# Altium PCB MODULE_CPU_MX240_V1.0.PcbDoc (part 1 of 2) (continued)
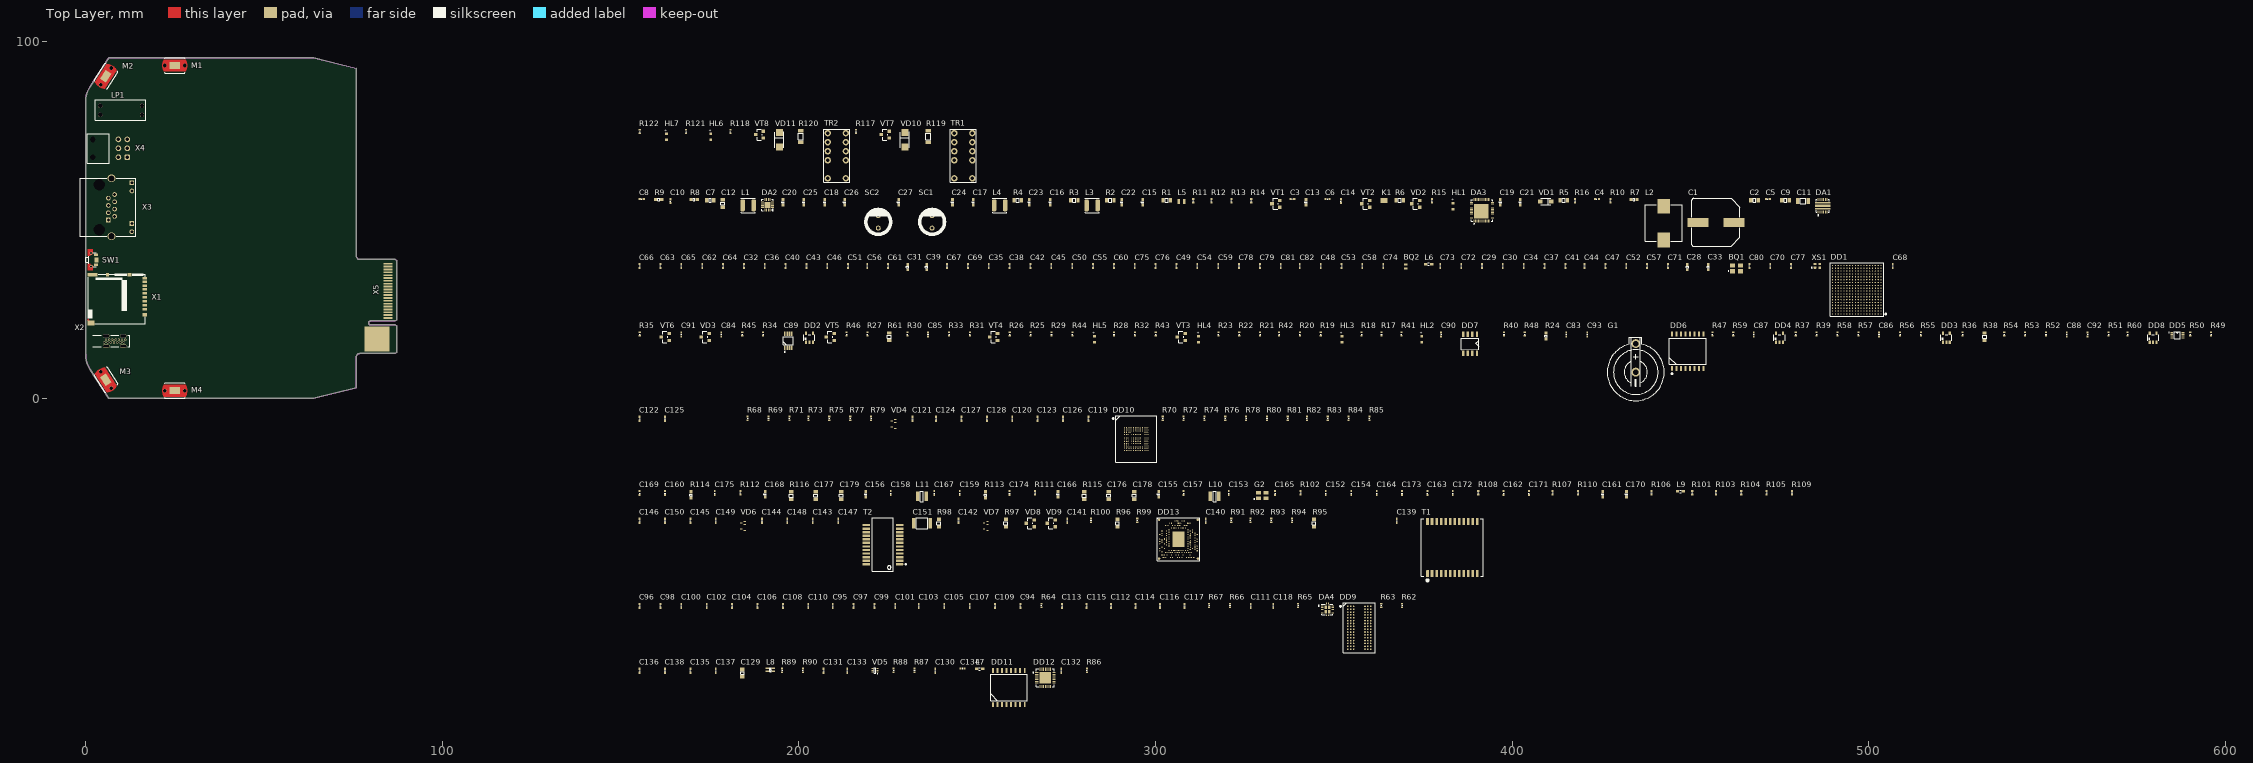
[diagram p0: Top Layer view]
## Components (designator, comment, footprint, x,y, rotation, side; value= is the part's Value field where it differs from the comment) (continued)
R36 "2К7" R0402 526.347,18.035 r90 top
R37 "2К7" R0402 479.545,18.035 r90 top
R38 "120 Ом" R0805 532.497,17.285 r90 top
R39 "2К7" R0402 485.395,18.035 r90 top
R40 "2К7" R0402 397.741,18.035 r90 top
R41 "330" R0402 368.989,18.035 r90 top
R42 "330" R0402 334.662,18.035 r90 top
R43 "330" R0402 300.086,18.035 r90 top
R44 "330" R0402 276.71,18.035 r90 top
R45 "10К" R0402 184.155,18.035 r90 top
R46 "2К7" R0402 213.407,18.035 r90 top
R47 "2К7" R0402 456.168,18.035 r90 top
R48 "2К7" R0402 403.566,18.035 r90 top
R49 "100K" R0402 596.025,18.035 r90 top
R50 "100K" R0402 590.175,18.035 r90 top
R51 "100K" R0402 567.274,18.035 r90 top
R52 "100K" R0402 549.723,18.035 r90 top
R53 "100K" R0402 543.873,18.035 r90 top
R54 "100K" R0402 538.022,18.035 r90 top
R55 "100K" R0402 514.646,18.035 r90 top
R56 "100K" R0402 508.796,18.035 r90 top
R57 "100K" R0402 497.095,18.035 r90 top
R58 "100K" R0402 491.245,18.035 r90 top
R59 "2К7" R0402 462.019,18.035 r90 top
R60 "330" R0402 572.624,18.035 r90 top
R61 "120 Ом" R0805 225.382,17.285 r90 top
R62 "10К" R0402 369.189,-58.069 r90 top
R63 "10К" R0402 363.339,-58.069 r90 top
R64 "240 1%" R0402 268.034,-58.069 r90 top
R65 "10K 1%" R0402 339.988,-58.069 r90 top
R66 "10K 1%" R0402 320.912,-58.069 r90 top
R67 "10К" R0402 315.062,-58.069 r90 top
R68 "10К" R0402 185.655,-5.617 r90 top
R69 "10К" R0402 191.505,-5.617 r90 top
R70 "10К" R0402 302.036,-5.617 r90 top
R71 "10К" R0402 197.356,-5.617 r90 top
R72 "10К" R0402 307.886,-5.617 r90 top
R73 "10К" R0402 202.706,-5.617 r90 top
R74 "10К" R0402 313.736,-5.617 r90 top
R75 "10К" R0402 208.556,-5.617 r90 top
R76 "10К" R0402 319.587,-5.617 r90 top
R77 "10К" R0402 214.407,-5.617 r90 top
R78 "10К" R0402 325.437,-5.617 r90 top
R79 "10К" R0402 220.257,-5.617 r90 top
R80 "10К" R0402 331.287,-5.617 r90 top
R81 "10К" R0402 337.113,-5.617 r90 top
R82 "10К" R0402 342.463,-5.617 r90 top
R83 "10К" R0402 348.313,-5.617 r90 top
R84 "10К" R0402 354.163,-5.617 r90 top
R85 "10К" R0402 360.014,-5.617 r90 top
R86 "5К1" R0402 280.785,-76.27 r90 top
R87 "5К1" R0402 232.432,-76.27 r90 top
R88 "2К7" R0402 226.582,-76.27 r90 top
R89 "2К7" R0402 195.306,-76.27 r90 top
R90 "2К7" R0402 201.156,-76.27 r90 top
R91 "10К" R0402 321.262,-34.218 r90 top
R92 "10К" R0402 326.612,-34.218 r90 top
R93 "1К5 1%" R0402 332.462,-34.218 r90 top
R94 "1К5 1%" R0402 338.313,-34.218 r90 top
R95 "75" R0805 344.463,-34.968 r90 top
R96 "75" R0805 289.36,-34.968 r90 top
R97 "75" R0805 258.084,-34.968 r90 top
R98 "75" R0805 239.283,-34.968 r90 top
R99 "330 Ом" R0402 294.911,-34.218 r90 top
R100 "330 Ом" R0402 281.935,-34.218 r90 top
R101 "10К" R0402 450.543,-26.468 r90 top
R102 "2К 1%" R0402 340.713,-26.468 r90 top
R103 "10К" R0402 457.143,-26.468 r90 top
R104 "10К" R0402 464.269,-26.468 r90 top
R105 "10К" R0402 471.394,-26.468 r90 top
R106 "10" R0402 439.093,-26.468 r90 top
R107 "10" R0402 411.391,-26.468 r90 top
R108 "10К" R0402 390.54,-26.468 r90 top
R109 "2К7" R0402 478.494,-26.468 r90 top
R110 "10" R0402 418.517,-26.468 r90 top
R111 "82К5 1%" R0402 266.259,-26.468 r90 top
R112 "82К5 1%" R0402 183.63,-26.468 r90 top
R113 "442К 1%" R0603 252.383,-27.043 r90 top
R114 "442К 1%" R0603 169.754,-27.043 r90 top
R115 "15 Ом" R0805 280.035,-27.243 r90 top
R116 "15 Ом" R0805 197.906,-27.243 r90 top
R117 "10К" R0402 216.032,74.812 r90 top
R118 "10К" R0402 180.83,74.812 r90 top
R119 "10 Ом" R1206 236.308,73.462 r90 top
R120 "10 Ом" R1206 200.581,73.462 r90 top
R121 "330" R0402 168.379,74.812 r90 top
R122 "330" R0402 155.404,74.812 r90 top
SC1 "1 Ф 3,0 В" CAP_POL_8x13 237.383,47.736 r90 top
SC2 "1 Ф 3,0 В" CAP_POL_8x13 222.282,47.736 r90 top
SW1 "EVP-AKE31A" EVPAKE31A 1.56,38.866 r180 top
T1 "WE-LAN AQ 749020310" HX5004NL 383.29,-41.818 r0 top
T2 "Topaz TE-1x1G" "Topaz TE-1x1G" 223.607,-41.018 r90 top
TR1 "V23079-A1003-B301" RELE_V23079A 246.133,68.037 r90 top
TR2 "V23079-A1003-B301" RELE_V23079A 210.656,68.037 r90 top
VD1 "SMF5.0AT1G" SOD-123 409.441,55.186 r0 top
VD2 "BAT54A" SOT-23 372.989,54.561 r0 top
VD3 "WE-TVS 824021" SOT-23 173.755,17.21 r0 top
VD4 "WE-TVS 824014881" "WE-TVS 824014881" 226.557,-6.717 r90 top
VD5 "WE-TVS 82400152" SOT-563 221.382,-76.27 r90 top
VD6 "WE-TVS 824014881" "WE-TVS 824014881" 184.355,-35.318 r90 top
VD7 "WE-TVS 824014881" "WE-TVS 824014881" 252.408,-35.318 r90 top
VD8 "WE-TVS 824021" SOT-23 264.934,-35.043 r0 top
VD9 "WE-TVS 824021" SOT-23 270.784,-35.043 r0 top
VD10 "GS1M" SMA(DO-214AC) 229.757,72.512 r90 top
VD11 "GS1M" SMA(DO-214AC) 194.556,72.512 r90 top
VT1 "DMP3098L-7" SOT-23 333.787,54.561 r0 top
VT2 "IRLML6246TR" SOT-23 358.939,54.561 r0 top
VT3 "IRLML6246TRPbF" SOT-23 307.236,17.21 r0 top
VT4 "IRLML6246TRPbF" SOT-23 254.609,17.21 r0 top
VT5 "IRLML6246TRPbF" SOT-23 208.831,17.21 r0 top
VT6 "IRLML6246TRPbF" SOT-23 162.554,17.21 r0 top
VT7 "2N7002K" SOT-23 224.207,73.962 r0 top
VT8 "2N7002K" SOT-23 188.98,73.962 r0 top
X1 "DM3A-SF-PEJM5" DM3AT-SF-PEJM5 9.083,27.895 r270 top
X2 "KUSBX-SL-CS1N14-B" KUSBX-SL-CS1N14 8.205,16.065 r270 top
X3 "WR-MJ_615008137421" WR-MJ_615008137421 6.386,50.018 r270 top
X4 "MOLEX 105314-1206" MOLEX_105314-1206 11.712,67.616 r270 top
X5 "SLOT MOLEX 76861-1120" "EDGE AMPHENOL CE1204000110111" 84.754,22.552 r90 top locked
XS1 "25 МГц" WE-SPXO_IQXO-542 485.595,37.161 r0 top

## Footprints (in the part's own frame and the unit in brackets; to place one, negate y for a bottom-side part, rotate by r counter-clockwise, add the part's x,y. Pads: shape width x height; smd on the part's side, far side on the other; paste and mask are expansions set on the pad)
1296.2024 [mm] "Multiple light guide 4х2"
  round 1.2 hole 1.2 unplated paste-5 mask+0: 0(-1.27,-5.85) 0(-1.27,5.85) 0(1.27,-5.85) 0(1.27,5.85)
  silkscreen extent -2.78,-6.9 2.94,7.25, body extent -2.78,-6.9 2.94,10.05, height 11.15
C0402 [mm]
  rect 0.6x0.5 smd paste-0.025 mask+0.05: 1(-0.55,0) 2(0.55,0)
  silkscreen extent 0,-0.15 0,0.15, body extent -0.5,-0.25 0.5,0.25, height 0.63
C0603 [mm]
  rect 0.8x0.75 smd paste-0.037 mask+0.05: 1(-0.75,0) 2(0.75,0)
  silkscreen extent -0.15,-0.33 0.15,0.33, body extent -0.8,-0.4 0.8,0.4, height 0.93
C0805 [mm]
  rect 1x1.25 smd paste-0.05 mask+0.05: 1(-1,0) 2(1,0)
  silkscreen extent -0.33,-0.55 0.33,0.55, body extent -1,-0.62 1,0.63, height 1.03
C1206 [mm]
  rect 1x1.6 smd paste-0.05 mask+0.05: 1(-1.5,0) 2(1.5,0)
  silkscreen extent -0.82,-0.72 0.82,0.72, body extent -1.6,-0.8 1.6,0.8, height 1.03
C1812 [mm]
  rect 1x3 smd paste-0.05 mask+0.05: 1(-2.3,0) 2(2.3,0)
  silkscreen extent -1.63,-1.53 1.63,1.53, body extent -2.25,-1.6 2.25,1.6, height 1.63
CAP_POL_8x13 [mm]
  round 1.4 hole 0.8 paste+0 mask+0.075: 1(0,0) 2(3.5,0)
  silkscreen extent -1.73,-3.47 5.3,3.48, body extent -2.26,-4 5.75,4, height 13.06
CH23-1220 [mm]
  round 2.5 hole 1.5: 1(8,0.031) 2(0,0)
  silkscreen extent -8,-8 9.8,8, body extent -7.55,-7.55 11.5,7.55, height 10.4
DM3AT-SF-PEJM5 [mm] "Push-Push microSD Card Connector"
  rect 0.7x1.2 smd paste-0.05 mask+0.05: 1(2.85,7.55) 2(1.75,7.55) 3(0.65,7.55) 4(-0.45,7.55) 5(-1.55,7.55) 6(-2.65,7.55) 7(-3.75,7.55) 8(-4.85,7.55) 9(-5.8,7.55)
  rect 1x0.8 smd paste-0.05 mask+0.05: 10(-6.75,-2.95)
  rect 1x1.2 smd paste-0.05 mask+0.05: 11(-6.75,3.25) 14(4.4,7.55)
  rect 1x2.8 smd paste-0.05 mask+0.05: 12(-6.75,-7.1)
  rect 1.3x1.9 smd paste-0.05 mask+0.05: 13(6.75,-7.55)
  Top Layer region: 6.15,-7.95 5.95,-8.15 5.55,-8.15 5.55,-8.5 6.15,-8.5
  silkscreen extent -7.15,-8.5 7,7.65, body extent -6.85,-8.5 7,7.65, height 1.68
"EDGE AMPHENOL CE1204000110111" [mm]
  rect 0.5x2.5 smd paste-10 mask+0: 1(0,0) 3(0.8,0) 5(1.6,0) 7(2.4,0) 9(3.2,0) 11(4,0) 13(4.8,0) 15(5.6,0) 17(6.4,0) 19(7.2,0) 21(8,0) 23(8.8,0) 25(9.6,0) 27(10.4,0) 29(11.2,0) 31(12,0) 33(12.8,0) 35(13.6,0) 37(14.4,0) 39(15.2,0)
  rect 0.5x2.5 smd far side paste-10 mask+0: 2(-0.4,0) 4(0.4,0) 6(1.2,0) 8(2,0) 10(2.8,0) 12(3.6,0) 14(4.4,0) 16(5.2,0) 18(6,0) 20(6.8,0) 22(7.6,0) 24(8.4,0) 26(9.2,0) 28(10,0) 30(10.8,0) 32(11.6,0) 34(12.4,0) 36(13.2,0) 38(14,0) 40(14.8,0)
  rect 7x7 smd paste-10 mask+0: P1(-5.95,3.05)
  rect 7x7 smd far side paste-10 mask+0: P2(-5.95,3.05)
EVPAKE31A [mm]
  rrect50% 1.1x0.7 smd paste+0 mask+0.05: 1(-1.35,-1.4) 2(-1.35,1.4)
  round 0.8 hole 0.55 paste+0 mask+0.05: SH1(0,1.85) SH2(0,-1.85)
  rect 1.1x1.4 smd paste+0 mask+0.05: SH3(-1.5,0)
  Top Layer region: -0.4,1.875 -0.4,3 0.95,3 0.95,1.15 0.3,1.15 0.3,1.45 -0.009,1.45 -0.042,1.45 -0.108,1.463 -0.17,1.489 -0.226,1.526 -0.25,1.55 -0.25,1.55 -0.277,1.577 -0.307,1.607 -0.352,1.676 -0.384,1.752 -0.4,1.834 -0.4,1.875
  Top Layer region: -0.4,-1.875 -0.4,-3 0.95,-3 0.95,-1.15 0.3,-1.15 0.3,-1.45 -0.009,-1.45 -0.042,-1.45 -0.108,-1.463 -0.17,-1.489 -0.226,-1.526 -0.25,-1.55 -0.25,-1.55 -0.277,-1.577 -0.307,-1.607 -0.352,-1.676 -0.384,-1.752 -0.4,-1.834 -0.4,-1.875
  silkscreen extent -1.4,-1.95 1.5,1.95, body extent -1.4,-1.95 1.5,1.95, height 1.6
FBGA-96 [mm]
  round 0.45 smd paste+0 mask+0.05: A1(-3.2,6) A2(-2.4,6) A3(-1.6,6) A7(1.6,6) A8(2.4,6) A9(3.2,6) B1(-3.2,5.2) B2(-2.4,5.2) B3(-1.6,5.2) B7(1.6,5.2) B8(2.4,5.2) B9(3.2,5.2) C1(-3.2,4.4) C2(-2.4,4.4) C3(-1.6,4.4) C7(1.6,4.4) C8(2.4,4.4) C9(3.2,4.4) D1(-3.2,3.6) D2(-2.4,3.6) D3(-1.6,3.6) D7(1.6,3.6) D8(2.4,3.6) D9(3.2,3.6) E1(-3.2,2.8) E2(-2.4,2.8) E3(-1.6,2.8) E7(1.6,2.8) E8(2.4,2.8) E9(3.2,2.8) F1(-3.2,2) F2(-2.4,2) F3(-1.6,2) F7(1.6,2) F8(2.4,2) F9(3.2,2) G1(-3.2,1.2) G2(-2.4,1.2) G3(-1.6,1.2) G7(1.6,1.2) G8(2.4,1.2) G9(3.2,1.2) H1(-3.2,0.4) H2(-2.4,0.4) H3(-1.6,0.4) H7(1.6,0.4) H8(2.4,0.4) H9(3.2,0.4) J1(-3.2,-0.4) J2(-2.4,-0.4) J3(-1.6,-0.4) J7(1.6,-0.4) J8(2.4,-0.4) J9(3.2,-0.4) K1(-3.2,-1.2) K2(-2.4,-1.2) K3(-1.6,-1.2) K7(1.6,-1.2) K8(2.4,-1.2) K9(3.2,-1.2) L1(-3.2,-2) L2(-2.4,-2) L3(-1.6,-2) L7(1.6,-2) L8(2.4,-2) L9(3.2,-2) M1(-3.2,-2.8) M2(-2.4,-2.8) M3(-1.6,-2.8) M7(1.6,-2.8) M8(2.4,-2.8) M9(3.2,-2.8) N1(-3.2,-3.6) N2(-2.4,-3.6) N3(-1.6,-3.6) N7(1.6,-3.6) N8(2.4,-3.6) N9(3.2,-3.6) P1(-3.2,-4.4) P2(-2.4,-4.4) P3(-1.6,-4.4) P7(1.6,-4.4) P8(2.4,-4.4) P9(3.2,-4.4) R1(-3.2,-5.2) R2(-2.4,-5.2) R3(-1.6,-5.2) R7(1.6,-5.2) R8(2.4,-5.2) R9(3.2,-5.2) T1(-3.2,-6) T2(-2.4,-6) T3(-1.6,-6) T7(1.6,-6) T8(2.4,-6) T9(3.2,-6)
  silkscreen extent -5.5,-7 4.5,7, body extent -4.5,-7 4.5,7, height 1.09
FBGA-153 [mm]
  round 0.25 smd paste+0 mask+0.05: A1(-3.25,3.25) A2(-2.75,3.25) A3(-2.25,3.25) A4(-1.75,3.25) A5(-1.25,3.25) A6(-0.75,3.25) A7(-0.25,3.25) A8(0.25,3.25) A9(0.75,3.25) A10(1.25,3.25) A11(1.75,3.25) A12(2.25,3.25) A13(2.75,3.25) A14(3.25,3.25) B1(-3.25,2.75) B2(-2.75,2.75) B3(-2.25,2.75) B4(-1.75,2.75) B5(-1.25,2.75) B6(-0.75,2.75) B7(-0.25,2.75) B8(0.25,2.75) B9(0.75,2.75) B10(1.25,2.75) B11(1.75,2.75) B12(2.25,2.75) B13(2.75,2.75) B14(3.25,2.75) C1(-3.25,2.25) C2(-2.75,2.25) C3(-2.25,2.25) C4(-1.75,2.25) C5(-1.25,2.25) C6(-0.75,2.25) C7(-0.25,2.25) C8(0.25,2.25) C9(0.75,2.25) C10(1.25,2.25) C11(1.75,2.25) C12(2.25,2.25) C13(2.75,2.25) C14(3.25,2.25) D1(-3.25,1.75) D2(-2.75,1.75) D3(-2.25,1.75) D4(-1.75,1.75) D12(2.25,1.75) D13(2.75,1.75) D14(3.25,1.75) E1(-3.25,1.25) E2(-2.75,1.25) E3(-2.25,1.25) E5(-1.25,1.25) E6(-0.75,1.25) E7(-0.25,1.25) E8(0.25,1.25) E9(0.75,1.25) E10(1.25,1.25) E12(2.25,1.25) E13(2.75,1.25) E14(3.25,1.25) F1(-3.25,0.75) F2(-2.75,0.75) F3(-2.25,0.75) F5(-1.25,0.75) F6(-0.75,0.75) F7(-0.25,0.75) F8(0.25,0.75) F9(0.75,0.75) F10(1.25,0.75) F12(2.25,0.75) F13(2.75,0.75) F14(3.25,0.75) G1(-3.25,0.25) G2(-2.75,0.25) G3(-2.25,0.25) G5(-1.25,0.25) G6(-0.75,0.25) G7(-0.25,0.25) G8(0.25,0.25) G9(0.75,0.25) G10(1.25,0.25) G12(2.25,0.25) G13(2.75,0.25) G14(3.25,0.25) H1(-3.25,-0.25) H2(-2.75,-0.25) H3(-2.25,-0.25) H5(-1.25,-0.25) H6(-0.75,-0.25) H7(-0.25,-0.25) H8(0.25,-0.25) H9(0.75,-0.25) H10(1.25,-0.25) H12(2.25,-0.25) H13(2.75,-0.25) H14(3.25,-0.25) J1(-3.25,-0.75) J2(-2.75,-0.75) J3(-2.25,-0.75) J5(-1.25,-0.75) J6(-0.75,-0.75) J7(-0.25,-0.75) J8(0.25,-0.75) J9(0.75,-0.75) J10(1.25,-0.75) J12(2.25,-0.75) J13(2.75,-0.75) J14(3.25,-0.75) K1(-3.25,-1.25) K2(-2.75,-1.25) K3(-2.25,-1.25) K5(-1.25,-1.25) K6(-0.75,-1.25) K7(-0.25,-1.25) K8(0.25,-1.25) K9(0.75,-1.25) K10(1.25,-1.25) K12(2.25,-1.25) K13(2.75,-1.25) K14(3.25,-1.25) L1(-3.25,-1.75) L2(-2.75,-1.75) L3(-2.25,-1.75) L12(2.25,-1.75) L13(2.75,-1.75) L14(3.25,-1.75) M1(-3.25,-2.25) M2(-2.75,-2.25) M3(-2.25,-2.25) M4(-1.75,-2.25) M5(-1.25,-2.25) M6(-0.75,-2.25) M7(-0.25,-2.25) M8(0.25,-2.25) M9(0.75,-2.25) M10(1.25,-2.25) M11(1.75,-2.25) M12(2.25,-2.25) M13(2.75,-2.25) M14(3.25,-2.25) N1(-3.25,-2.75) N2(-2.75,-2.75) N3(-2.25,-2.75) N4(-1.75,-2.75) N5(-1.25,-2.75) N6(-0.75,-2.75) N7(-0.25,-2.75) N8(0.25,-2.75) N9(0.75,-2.75) N10(1.25,-2.75) N11(1.75,-2.75) N12(2.25,-2.75) N13(2.75,-2.75) N14(3.25,-2.75) P1(-3.25,-3.25) P2(-2.75,-3.25) P3(-2.25,-3.25) P4(-1.75,-3.25) P5(-1.25,-3.25) P6(-0.75,-3.25) P7(-0.25,-3.25) P8(0.25,-3.25) P9(0.75,-3.25) P10(1.25,-3.25) P11(1.75,-3.25) P12(2.25,-3.25) P13(2.75,-3.25) P14(3.25,-3.25)
  silkscreen extent -6.65,-6.5 5.75,6.5, body extent -5.75,-6.5 5.75,6.5, height 0.93
GND_DELIM [mm]
  rect 1x1.45 smd paste-5 mask-5: 1(-0.4,0) 2(0.5,0)
HX5004NL [mm]
  rrect50% 0.76x2.03 smd paste-0.02 mask+0.075: 1(-6.985,-7.307)
  rect 0.76x2.03 smd paste-0.02 mask+0.075: 2(-5.715,-7.307) 3(-4.445,-7.307) 4(-3.175,-7.307) 5(-1.905,-7.307) 6(-0.635,-7.307) 7(0.635,-7.307) 8(1.905,-7.307) 9(3.175,-7.307) 10(4.445,-7.307) 11(5.715,-7.307) 12(6.985,-7.307) 13(6.985,7.307) 14(5.715,7.307) 15(4.445,7.307) 16(3.175,7.307) 17(1.905,7.307) 18(0.635,7.307) 19(-0.635,7.307) 20(-1.905,7.307) 21(-3.175,7.307) 22(-4.445,7.307) 23(-5.715,7.307) 24(-6.985,7.307)
  silkscreen extent -8.7,-9.51 8.7,8, body extent -8.75,-7.98 8.75,7.98, height 5.72
KUSBX-SL-CS1N14 [mm]
  round 0.6 hole 0.4 paste+0 mask+0.05: A1(-0.39,-2.475) A4(-0.39,-1.575) A5(-0.39,-0.675) A6(-0.39,0.225) A7(-0.39,1.125) A9(-0.39,2.025) A12(-0.39,2.925) B1(0.39,2.475) B4(0.39,1.575) B5(0.39,0.675) B6(0.39,-0.225) B7(0.39,-1.125) B9(0.39,-2.025) B12(0.39,-2.925)
  oval 0.9x1.9 hole 0.6 slot 1.6 at 90 deg mask+0.07: SH1(-1.43,2.375) SH2(-1.43,-2.425) SH3(1.43,-2.425) SH4(1.43,2.375)
  silkscreen extent -1.6,-6.25 1.6,4.14, body extent -1.9,-10.41 1.9,4.14, height 9.09
MOLEX_105314-1206 [mm] "Nano-Fit Right-Angle Header, Through Hole, 2.50mm Pitch, Dual Row, 6 Circuits, 0.38µm Gold (Au) Plating, Black"
  round 0 hole 1.6 unplated paste+0 mask+0: 0(-5,-9.68) 0(0,-9.68)
  rrect50% 1.6x1.6 hole 1 paste+0 mask+0.075: 1(0,0)
  round 1.6 hole 1 paste+0 mask+0.075: 2(-2.5,0) 3(-5,0) 4(0,-2.5) 5(-2.5,-2.5) 6(-5,-2.5)
  silkscreen extent -6.63,-11.17 1.63,-5, body extent -6.72,-14.34 1.72,0.32, height 9.2
MSOP-8 [mm]
  rect 1.35x0.45 smd paste-0.01 mask+0.05: 1(0,0) 2(0,-0.65) 3(0,-1.3) 4(0,-1.95) 5(3.945,-1.95) 6(3.945,-1.3) 7(3.945,-0.65) 8(3.945,0)
  silkscreen extent -1.3,-2.43 3.07,0.48, body extent -0.5,-2.52 4.44,0.58, height 1.1
PBGA324 [mm]
  round 0.35 smd paste+0 mask+0.05: A1(6.8,-6.8) A2(6,-6.8) A3(5.2,-6.8) A4(4.4,-6.8) A5(3.6,-6.8) A6(2.8,-6.8) A7(2,-6.8) A8(1.2,-6.8) A9(0.4,-6.8) A10(-0.4,-6.8) A11(-1.2,-6.8) A12(-2,-6.8) A13(-2.8,-6.8) A14(-3.6,-6.8) A15(-4.4,-6.8) A16(-5.2,-6.8) A17(-6,-6.8) A18(-6.8,-6.8) B1(6.8,-6) B2(6,-6) B3(5.2,-6) B4(4.4,-6) B5(3.6,-6) B6(2.8,-6) B7(2,-6) B8(1.2,-6) B9(0.4,-6) B10(-0.4,-6) B11(-1.2,-6) B12(-2,-6) B13(-2.8,-6) B14(-3.6,-6) B15(-4.4,-6) B16(-5.2,-6) B17(-6,-6) B18(-6.8,-6) C1(6.8,-5.2) C2(6,-5.2) C3(5.2,-5.2) C4(4.4,-5.2) C5(3.6,-5.2) C6(2.8,-5.2) C7(2,-5.2) C8(1.2,-5.2) C9(0.4,-5.2) C10(-0.4,-5.2) C11(-1.2,-5.2) C12(-2,-5.2) C13(-2.8,-5.2) C14(-3.6,-5.2) C15(-4.4,-5.2) C16(-5.2,-5.2) C17(-6,-5.2) C18(-6.8,-5.2) D1(6.8,-4.4) D2(6,-4.4) D3(5.2,-4.4) D4(4.4,-4.4) D5(3.6,-4.4) D6(2.8,-4.4) D7(2,-4.4) D8(1.2,-4.4) D9(0.4,-4.4) D10(-0.4,-4.4) D11(-1.2,-4.4) D12(-2,-4.4) D13(-2.8,-4.4) D14(-3.6,-4.4) D15(-4.4,-4.4) D16(-5.2,-4.4) D17(-6,-4.4) D18(-6.8,-4.4) E1(6.8,-3.6) E2(6,-3.6) E3(5.2,-3.6) E4(4.4,-3.6) E5(3.6,-3.6) E6(2.8,-3.6) E7(2,-3.6) E8(1.2,-3.6) E9(0.4,-3.6) E10(-0.4,-3.6) E11(-1.2,-3.6) E12(-2,-3.6) E13(-2.8,-3.6) E14(-3.6,-3.6) E15(-4.4,-3.6) E16(-5.2,-3.6) E17(-6,-3.6) E18(-6.8,-3.6) F1(6.8,-2.8) F2(6,-2.8) F3(5.2,-2.8) F4(4.4,-2.8) F5(3.6,-2.8) F6(2.8,-2.8) F7(2,-2.8) F8(1.2,-2.8) F9(0.4,-2.8) F10(-0.4,-2.8) F11(-1.2,-2.8) F12(-2,-2.8) F13(-2.8,-2.8) F14(-3.6,-2.8) F15(-4.4,-2.8) F16(-5.2,-2.8) F17(-6,-2.8) F18(-6.8,-2.8) G1(6.8,-2) G2(6,-2) G3(5.2,-2) G4(4.4,-2) G5(3.6,-2) G6(2.8,-2) G7(2,-2) G8(1.2,-2) G9(0.4,-2) G10(-0.4,-2) G11(-1.2,-2) G12(-2,-2) G13(-2.8,-2) G14(-3.6,-2) G15(-4.4,-2) G16(-5.2,-2) G17(-6,-2) G18(-6.8,-2) H1(6.8,-1.2) H2(6,-1.2) H3(5.2,-1.2) H4(4.4,-1.2) H5(3.6,-1.2) H6(2.8,-1.2) H7(2,-1.2) H8(1.2,-1.2) H9(0.4,-1.2) H10(-0.4,-1.2) H11(-1.2,-1.2) H12(-2,-1.2) H13(-2.8,-1.2) H14(-3.6,-1.2) H15(-4.4,-1.2) H16(-5.2,-1.2) H17(-6,-1.2) H18(-6.8,-1.2) J1(6.8,-0.4) J2(6,-0.4) J3(5.2,-0.4) J4(4.4,-0.4) J5(3.6,-0.4) J6(2.8,-0.4) J7(2,-0.4) J8(1.2,-0.4) J9(0.4,-0.4) J10(-0.4,-0.4) J11(-1.2,-0.4) J12(-2,-0.4) J13(-2.8,-0.4) J14(-3.6,-0.4) J15(-4.4,-0.4) J16(-5.2,-0.4) J17(-6,-0.4) J18(-6.8,-0.4) K1(6.8,0.4) K2(6,0.4) K3(5.2,0.4) K4(4.4,0.4) K5(3.6,0.4) K6(2.8,0.4) K7(2,0.4) K8(1.2,0.4) K9(0.4,0.4) K10(-0.4,0.4) K11(-1.2,0.4) K12(-2,0.4) K13(-2.8,0.4) K14(-3.6,0.4) K15(-4.4,0.4) K16(-5.2,0.4) K17(-6,0.4) K18(-6.8,0.4) L1(6.8,1.2) L2(6,1.2) L3(5.2,1.2) L4(4.4,1.2) L5(3.6,1.2) L6(2.8,1.2) L7(2,1.2) L8(1.2,1.2) L9(0.4,1.2) L10(-0.4,1.2) L11(-1.2,1.2) L12(-2,1.2) L13(-2.8,1.2) L14(-3.6,1.2) L15(-4.4,1.2) L16(-5.2,1.2) L17(-6,1.2) L18(-6.8,1.2) M1(6.8,2) M2(6,2) M3(5.2,2) M4(4.4,2) M5(3.6,2) M6(2.8,2) M7(2,2) M8(1.2,2) M9(0.4,2) M10(-0.4,2) M11(-1.2,2) M12(-2,2) M13(-2.8,2) M14(-3.6,2) M15(-4.4,2) M16(-5.2,2) M17(-6,2) M18(-6.8,2) N1(6.8,2.8) N2(6,2.8) N3(5.2,2.8) N4(4.4,2.8) N5(3.6,2.8) N6(2.8,2.8) N7(2,2.8) N8(1.2,2.8) N9(0.4,2.8) N10(-0.4,2.8) N11(-1.2,2.8) N12(-2,2.8) N13(-2.8,2.8) N14(-3.6,2.8) N15(-4.4,2.8) N16(-5.2,2.8) N17(-6,2.8) N18(-6.8,2.8) P1(6.8,3.6) P2(6,3.6) P3(5.2,3.6) P4(4.4,3.6) P5(3.6,3.6) P6(2.8,3.6) P7(2,3.6) P8(1.2,3.6) P9(0.4,3.6) P10(-0.4,3.6) P11(-1.2,3.6) P12(-2,3.6) P13(-2.8,3.6) P14(-3.6,3.6) P15(-4.4,3.6) P16(-5.2,3.6) P17(-6,3.6) P18(-6.8,3.6) R1(6.8,4.4) R2(6,4.4) R3(5.2,4.4) R4(4.4,4.4) R5(3.6,4.4) R6(2.8,4.4) R7(2,4.4) R8(1.2,4.4) R9(0.4,4.4) R10(-0.4,4.4) R11(-1.2,4.4) R12(-2,4.4) R13(-2.8,4.4) R14(-3.6,4.4) R15(-4.4,4.4) R16(-5.2,4.4) R17(-6,4.4) R18(-6.8,4.4) T1(6.8,5.2) T2(6,5.2) T3(5.2,5.2) T4(4.4,5.2) T5(3.6,5.2) T6(2.8,5.2) T7(2,5.2) T8(1.2,5.2) T9(0.4,5.2) T10(-0.4,5.2) T11(-1.2,5.2) T12(-2,5.2) T13(-2.8,5.2) T14(-3.6,5.2) T15(-4.4,5.2) T16(-5.2,5.2) T17(-6,5.2) T18(-6.8,5.2) U1(6.8,6) U2(6,6) U3(5.2,6) U4(4.4,6) U5(3.6,6) U6(2.8,6) U7(2,6) U8(1.2,6) U9(0.4,6) U10(-0.4,6) U11(-1.2,6) U12(-2,6) U13(-2.8,6) U14(-3.6,6) U15(-4.4,6) U16(-5.2,6) U17(-6,6) U18(-6.8,6) V1(6.8,6.8) V2(6,6.8) V3(5.2,6.8) V4(4.4,6.8) V5(3.6,6.8) V6(2.8,6.8) V7(2,6.8) V8(1.2,6.8) V9(0.4,6.8) V10(-0.4,6.8) V11(-1.2,6.8) V12(-2,6.8) V13(-2.8,6.8) V14(-3.6,6.8) V15(-4.4,6.8) V16(-5.2,6.8) V17(-6,6.8) V18(-6.8,6.8)
  silkscreen extent -7.5,-7.5 8.3,7.5, body extent -7.5,-7.5 7.5,7.5, height 1.21
PVQFN16 [mm]
  round 0 smd paste+0 mask+0.05: 1(1.45,-0.75) 2(1.45,-0.25) 3(1.45,0.25) 4(1.45,0.75) 5(0.75,1.45) 6(0.25,1.45) 7(-0.25,1.45) 8(-0.75,1.45) 9(-1.45,0.75) 10(-1.45,0.25) 11(-1.45,-0.25) 12(-1.45,-0.75) 13(-0.75,-1.45) 14(-0.25,-1.45) 15(0.25,-1.45) 16(0.75,-1.45)
  rect 0.85x0.3 smd paste+0 mask+0.05: 1(1.45,-0.75) 2(1.45,-0.25) 3(1.45,0.25) 4(1.45,0.75) 9(-1.45,0.75) 10(-1.45,0.25) 11(-1.45,-0.25) 12(-1.45,-0.75)
  rect 0.3x0.85 smd paste+0 mask+0.05: 5(0.75,1.45) 6(0.25,1.45) 7(-0.25,1.45) 8(-0.75,1.45) 13(-0.75,-1.45) 14(-0.25,-1.45) 15(0.25,-1.45) 16(0.75,-1.45)
  rect 1.7x1.7 smd paste-0.06 mask+0.05: 17(0,0)
  silkscreen extent -1.6,-1.65 1.65,1.6, body extent -1.52,-1.52 1.52,1.52, height 0.9
PVQFN-48_TPS65217 [mm]
  rect 1.05x1.05 on Top Paste paste+0 mask+0.05: 0(-1.575,-1.575) 0(-1.575,-0.225) 0(-1.575,1.125) 0(-0.225,-1.575) 0(-0.225,-0.225) 0(-0.225,1.125) 0(1.125,-1.575) 0(1.125,-0.225) 0(1.125,1.125)
  rrect50% 0.2x0.85 smd paste+0 mask+0.05: 1(-2.2,-2.975) 2(-1.8,-2.975) 3(-1.4,-2.975) 4(-1,-2.975) 5(-0.6,-2.975) 6(-0.2,-2.975) 7(0.2,-2.975) 8(0.6,-2.975) 9(1,-2.975) 10(1.4,-2.975) 11(1.8,-2.975) 12(2.2,-2.975) 25(2.2,2.975) 26(1.8,2.975) 27(1.4,2.975) 28(1,2.975) 29(0.6,2.975) 30(0.2,2.975) 31(-0.2,2.975) 32(-0.6,2.975) 33(-1,2.975) 34(-1.4,2.975) 35(-1.8,2.975) 36(-2.2,2.975)
  rrect50% 0.85x0.2 smd paste+0 mask+0.05: 13(2.975,-2.2) 14(2.975,-1.8) 15(2.975,-1.4) 16(2.975,-1) 17(2.975,-0.6) 18(2.975,-0.2) 19(2.975,0.2) 20(2.975,0.6) 21(2.975,1) 22(2.975,1.4) 23(2.975,1.8) 24(2.975,2.2) 37(-2.975,2.2) 38(-2.975,1.8) 39(-2.975,1.4) 40(-2.975,1) 41(-2.975,0.6) 42(-2.975,0.2) 43(-2.975,-0.2) 44(-2.975,-0.6) 45(-2.975,-1) 46(-2.975,-1.4) 47(-2.975,-1.8) 48(-2.975,-2.2)
  rect 4.05x4.05 smd paste-5 mask+0.05: 49(-0.225,-0.225)
  silkscreen extent -3,-3.9 3,3, body extent -3.01,-3.01 3.01,3.01, height 1
PVQFN-N15 [mm]
  rect 0.8x0.35 on Top Paste paste+0 mask+0: 0(-1.7,-0.85) 0(-1.7,0.85) 0(1.7,-0.85) 0(1.7,0.85)
  rect 0.8x0.65 on Top Paste paste+0 mask+0: 0(-1.7,0) 0(1.7,0)
  rect 0.85x0.35 on Top Paste paste+0 mask+0: 0(-0.58,-0.85) 0(-0.58,0.85) 0(0.58,-0.85) 0(0.58,0.85)
  rect 0.85x0.65 on Top Paste paste+0 mask+0: 0(-0.58,0) 0(0.58,0)
  rrect50% 0.28x0.85 smd paste-0.015 mask+0.05: 1(-1.25,-1.725)
  rect 0.28x0.85 smd paste-0.015 mask+0.05: 2(-0.75,-1.725) 3(-0.25,-1.725) 4(0.25,-1.725) 5(0.75,-1.725) 6(1.25,-1.725) 10(1.25,1.725) 11(0.75,1.725) 12(0.25,1.725) 13(-0.25,1.725) 14(-0.75,1.725) 15(-1.25,1.725)
  rect 4.3x0.4 smd paste-10 mask+0.05: 7(0,-0.85) 9(0,0.85)
  rect 4.3x0.7 smd paste-10 mask+0.05: 8(0,0)
  silkscreen extent -1.8,-2.77 1.8,1.8, body extent -1.8,-1.8 1.8,1.8, height 1
PVSON-10 [mm]
  rect 0.8x0.23 smd paste-0.01 mask+0.05: 1(-1.475,1.013) 2(-1.475,0.513) 3(-1.475,0.013) 4(-1.475,-0.487) 5(-1.475,-0.987) 6(1.475,-0.987) 7(1.475,-0.487) 8(1.475,0.013) 9(1.475,0.513) 10(1.475,1.013)
  rect 0.68x1.05 smd paste-0.02 mask+0.05: 11(-0.45,0.638) 12(-0.45,-0.632) 13(0.445,-0.632) 14(0.445,0.638)
  rect 0.26x0.5 smd paste-0.01 mask+0.05: 15(-0.25,1.642) 16(0.25,1.642) 17(-0.25,-1.642) 18(0.25,-1.642)
  silkscreen extent -2.62,-1.49 1.53,1.51, body extent -1.55,-1.51 1.55,1.49, height 0.79
QFN-28 [mm]
  rect 0.9x0.9 on Top Paste paste+0 mask+0: 0(-1.1,-1.1) 0(-1.1,0) 0(-1.1,1.1) 0(0,-1.1) 0(0,0) 0(0,1.1) 0(1.1,-1.1) 0(1.1,0) 0(1.1,1.1)
  rrect50% 0.9x0.25 smd paste+0 mask+0.05: 1(-2.4,1.5)
  rect 0.9x0.25 smd paste+0 mask+0.05: 2(-2.4,1) 3(-2.4,0.5) 4(-2.4,0) 5(-2.4,-0.5) 6(-2.4,-1) 7(-2.4,-1.5) 15(2.4,-1.5) 16(2.4,-1) 17(2.4,-0.5) 18(2.4,0) 19(2.4,0.5) 20(2.4,1) 21(2.4,1.5)
  rect 0.25x0.9 smd paste+0 mask+0.05: 8(-1.5,-2.4) 9(-1,-2.4) 10(-0.5,-2.4) 11(0,-2.4) 12(0.5,-2.4) 13(1,-2.4) 14(1.5,-2.4) 22(1.5,2.4) 23(1,2.4) 24(0.5,2.4) 25(0,2.4) 26(-0.5,2.4) 27(-1,2.4) 28(-1.5,2.4)
  rect 3.2x3.2 smd paste-5 mask+0.05: 29(0,0)
  silkscreen extent -3.55,-2.5 2.5,2.5, body extent -2.5,-2.52 2.54,2.52, height 0.9
QFN-135 [mm] "VSC8502XML-03"
  round 0.7 smd paste+0 mask+0.05: A1(-5.45,5.45) A8(-5.45,-5.45) A20(5.45,-5.45) A27(5.45,5.45)
  round 0.3 smd paste+0 mask+0.05: A2(-5.256,1.3) A3(-5.256,0) A4(-5.256,-0.65) A5(-5.256,-1.3) A6(-5.256,-2.6) A7(-5.256,-3.25) A10(-3.575,-5.096) A11(-2.275,-5.096) A12(-1.625,-5.096) A13(-0.325,-5.096) A14(0.325,-5.096) A15(0.975,-5.096) A16(2.275,-5.096) A22(5.257,-2.6) A23(5.257,-1.95) A24(5.257,-0.65) A25(5.257,0) A26(5.257,1.3) A28(1.625,5.096) A29(0.975,5.096) A31(-0.975,5.096) B2(-4.607,1.625) B3(-4.607,0.975) B5(-4.607,-0.975) B6(-4.607,-2.275) B9(-3.9,-4.446) B10(-3.25,-4.446) B11(-1.95,-4.446) B12(-0.65,-4.446) B13(0,-4.446) B14(1.3,-4.446) B15(3.25,-4.446) B16(4.607,-2.925) B18(4.607,-1.625) B19(4.607,-0.975) B20(4.607,-0.325) B21(4.607,0.325) B22(4.607,0.975) B24(3.25,4.446) B26(0.65,4.446) B28(-1.95,4.446) B29(-2.6,4.446) C2(-3.957,-1.3) C3(-3.957,-2.6) C5(-2.925,-3.796) C7(-1.625,-3.796) C8(-0.975,-3.796) C10(0.325,-3.796) C11(0.975,-3.796) C12(1.625,-3.796) C13(2.275,-3.796) C15(3.575,-3.796) C16(3.957,-2.6) C18(3.957,2.6) C20(1.625,3.796) C22(-0.325,3.796) C23(-0.975,3.796) C24(-1.625,3.796) C25(-2.925,3.796) C26(-3.575,3.796) D1(-3.307,2.275) D2(-3.307,1.625) D3(-3.307,0.975) D4(-3.307,0.325) D6(-3.307,-0.975) D7(-3.307,-1.625) D8(-2.6,-3.146) D9(-1.95,-3.146) D11(-0.65,-3.146) D13(0.65,-3.146) D14(1.3,-3.146) D15(1.95,-3.146) D16(2.6,-3.146) D17(3.307,-2.925) D18(3.307,-2.275) D19(3.307,-1.625) D21(3.307,-0.325) D22(3.307,0.325) D24(3.307,1.625) D25(3.307,2.275) D26(1.95,3.146) D28(0.65,3.146) D29(0,3.146) D30(-0.65,3.146) D32(-1.95,3.146) E3(-2.657,1.3) E4(-2.657,0.65) E5(-2.657,0) E6(-2.657,-0.65) E7(-2.657,-1.3) E9(2.656,-2.6) E12(2.656,-0.65) E13(2.656,0) E14(2.656,0.65) E15(2.656,1.3)
  oval 0.6x0.3 smd paste+0 mask+0.05: A9(-4.225,-5.096) A30(-0.325,5.096) B8(-4.55,-4.446) B25(2.6,4.446) B27(0,4.446) C6(-2.275,-3.796) C9(-0.325,-3.796) C19(2.275,3.796) C21(0.325,3.796) D10(-1.3,-3.146) D12(0,-3.146) D27(1.3,3.146) D31(-1.3,3.146)
  oval 0.45x0.3 smd paste+0 mask+0.05: A17(2.925,-5.096) A18(3.575,-5.096) A19(4.225,-5.096) C4(-3.575,-3.796) C14(2.925,-3.796)
  oval 0.3x0.45 smd paste+0 mask+0.05: A21(5.257,-3.25) B7(-4.607,-3.575) C17(3.957,1.95) E1(-2.657,2.6) E2(-2.657,1.95) E10(2.656,-1.95) E11(2.656,-1.3) E16(2.656,1.95) E17(2.656,2.6)
  oval 0.3x0.6 smd paste+0 mask+0.05: B1(-4.607,2.275) B4(-4.607,-0.325) B17(4.607,-2.275) B23(4.607,1.625) C1(-3.957,0) D5(-3.307,-0.325) D20(3.307,-0.975) D23(3.307,0.975) E8(-2.657,-1.95)
  rect 3.41x4.39 smd paste+0 mask+0.05: EP(0,0)
  silkscreen extent -6,-6 6,6, body extent -6,-6 6,6, height 0.85
R0402 [mm]
  rect 0.5x0.6 smd paste-0.025 mask+0.05: 1(-0.5,0) 2(0.5,0)
  silkscreen extent 0,-0.15 0,0.15, body extent -0.5,-0.25 0.5,0.25, height 0.3
R0603 [mm]
  rect 0.9x0.8 smd paste-0.04 mask+0.05: 1(-0.85,0) 2(0.85,0)
  silkscreen extent -0.23,-0.33 0.23,0.33, body extent -0.8,-0.4 0.8,0.4, height 0.4
R0805 [mm]
  rect 0.9x1.2 smd paste-0.045 mask+0.05: 1(-1.05,0) 2(1.05,0)
  silkscreen extent -0.43,-0.55 0.43,0.55, body extent -1,-0.62 1,0.62, height 0.5
R1206 [mm]
  rect 1x1.5 smd paste-0.05 mask+0.05: 1(-1.6,0) 2(1.6,0)
  silkscreen extent -0.92,-0.72 0.92,0.72, body extent -1.6,-0.8 1.6,0.8, height 0.55
RELE_V23079A [mm] "Signal Relay TE"
  round 1.8 hole 1 paste+0 mask+0.07: 1(-6.35,-2.54) 3(-1.27,-2.54) 4(1.27,-2.54) 5(3.81,-2.54) 6(6.35,-2.54) 7(6.35,2.54) 8(3.81,2.54) 9(1.27,2.54) 10(-1.27,2.54) 12(-6.35,2.54)
  silkscreen extent -7.47,-3.67 7.47,3.65, body extent -7.25,-3.6 7.25,3.6, height 9.8
SMA(DO-214AC) [mm]
  rect 2x2 smd paste-0.05 mask+0.075: 1(-2,0) 2(2,0)
  silkscreen extent -2.2,-1.25 2.2,1.25, body extent -2.5,-1.35 2.5,1.35, height 2.2
SO16_WIDE#1 [mm]
  oval 0.55x1.43 smd paste-0.01 mask+0.075: 1(-4.445,-4.81)
  rect 0.55x1.43 smd paste-0.01 mask+0.075: 2(-3.175,-4.81) 3(-1.905,-4.81) 4(-0.635,-4.81) 5(0.635,-4.81) 6(1.905,-4.81) 7(3.175,-4.81) 8(4.445,-4.81) 9(4.445,4.81) 10(3.175,4.81) 11(1.905,4.81) 12(0.635,4.81) 13(-0.635,4.81) 14(-1.905,4.81) 15(-3.175,4.81) 16(-4.445,4.81)
  silkscreen extent -5.15,-6.51 5.15,3.69, body extent -5.25,-5.16 5.25,5.24, height 2.82
SO16_WIDE#2 [mm]
  oval 0.55x1.43 smd paste+0 mask+0.075: 1(-4.445,-4.81)
  rect 0.55x1.43 smd paste+0 mask+0.075: 2(-3.175,-4.81) 3(-1.905,-4.81) 4(-0.635,-4.81) 5(0.635,-4.81) 6(1.905,-4.81) 7(3.175,-4.81) 8(4.445,-4.81) 9(4.445,4.81) 10(3.175,4.81) 11(1.905,4.81) 12(0.635,4.81) 13(-0.635,4.81) 14(-1.905,4.81) 15(-3.175,4.81) 16(-4.445,4.81)
  silkscreen extent -5.15,-3.71 5.15,3.69, body extent -5.25,-5.16 5.25,5.24, height 2.82
SOD-123 [mm]
  rect 1.2x1.2 smd paste-0.03 mask+0.075: 1(1.55,0) 2(-1.55,0)
  silkscreen extent -1.4,-0.9 1.4,0.9, body extent -1.95,-0.85 1.9,0.85, height 1.42
SOIC8 [mm]
  rrect50% 0.6x1.55 smd paste-0.015 mask+0.07: 1(1.905,2.694)
  rect 0.6x1.55 smd paste-0.015 mask+0.07: 2(0.635,2.694) 3(-0.635,2.694) 4(-1.905,2.694) 5(-1.905,-2.694) 6(-0.635,-2.694) 7(0.635,-2.694) 8(1.905,-2.694)
  silkscreen extent -2.45,-1.61 2.45,1.59, body extent -2.45,-2.96 2.45,3.04, height 1.75
SOT-23 [mm]
  rect 1x0.9 smd paste+0 mask+0.05: 1(1.1,-0.95) 2(1.1,0.95) 3(-1.1,0)
  silkscreen extent -0.7,-1.55 0.7,1.55, body extent -1.32,-1.5 1.32,1.5, height 1.08
SOT-23(DBV5) [mm]
  rect 0.6x1 smd paste-0.015 mask+0.05: 1(-0.95,-1.3) 2(0,-1.3) 3(0.95,-1.3) 4(0.95,1.3) 5(-0.95,1.3)
  silkscreen extent -1.55,-0.9 1.55,0.9, body extent -1.46,-1.17 1.46,1.17, height 1
SOT-563 [mm]
  rrect50% 0.3x0.5 smd paste-0.01 mask+0.05: 1(-0.5,-0.7)
  rect 0.3x0.5 smd paste-0.01 mask+0.05: 2(0,-0.7) 3(0.5,-0.7) 4(0.5,0.7) 5(0,0.7) 6(-0.5,0.7)
  silkscreen extent -0.95,-0.73 0.75,0.25, body extent -0.8,-0.81 0.8,0.81, height 0.58
"Topaz TE-1x1G" [mm] "Single Port Gigabit Transformer"
  rrect50% 0.64x2.03 smd paste-0.03 mask+0.075: 1(-5.5,-4.675)
  rect 0.64x2.03 smd paste-0.03 mask+0.075: 2(-4.5,-4.675) 3(-3.5,-4.675) 4(-2.5,-4.675) 5(-1.5,-4.675) 6(-0.5,-4.675) 7(0.5,-4.675) 8(1.5,-4.675) 9(2.5,-4.675) 10(3.5,-4.675) 11(4.5,-4.675) 12(5.5,-4.675) 13(5.5,4.675) 14(4.5,4.675) 15(3.5,4.675) 16(2.5,4.675) 17(1.5,4.675) 18(0.5,4.675) 19(-0.5,4.675) 20(-1.5,4.675) 21(-2.5,4.675) 22(-3.5,4.675) 23(-4.5,4.675) 24(-5.5,4.675)
  silkscreen extent -7.5,-6.58 7.5,3.06, body extent -7.55,-5.28 7.56,5.28, height 4.19
VSSOP8 [mm]
  rrect50% 0.8x0.3 smd paste-0.025 mask+0.05: 1(-1.55,0.75)
  rect 0.8x0.3 smd paste-0.025 mask+0.05: 2(-1.55,0.25) 3(-1.55,-0.25) 4(-1.55,-0.75) 5(1.55,-0.75) 6(1.55,-0.25) 7(1.55,0.25) 8(1.55,0.75)
  silkscreen extent -2.47,-1 0.8,1, body extent -1.6,-1.05 1.6,1.05, height 0.93
WCAP-ASLL_12.5x14 [mm] "Aluminium Electrolytic V-Chip SMT Capacitors, §¶12.5x14mm"
  rect 5.8x2.5 smd paste-0.06 mask+0.05: 1(5.05,0) 2(-5.05,0)
  silkscreen extent -6.73,-6.73 6.72,6.73, body extent -7.1,-6.72 7.1,6.73, height 14
WE-CBF_0603 [mm] "EMI Suppression Ferrite Bead"
  rect 0.95x0.7 smd paste-0.04 mask+0.05: 1(-0.825,0) 2(0.825,0)
  silkscreen extent -0.2,-0.35 0.2,0.35, body extent -0.8,-0.4 0.8,0.4, height 0.8
WE-CNSW_0805 [mm] "SMT Common Mode Line Filter"
  rect 0.9x0.4 smd paste-0.01 mask+0.05: 1(-0.85,0.4) 2(0.85,0.4) 3(0.85,-0.4) 4(-0.85,-0.4)
  silkscreen extent -0.2,-0.6 0.2,0.6, body extent -1,-0.6 1,0.6, height 1.2
WE-LHMI_1040 [mm] "SMT Power Inductor, 2-Leads, body 10x10mm"
  rect 4.1x3.5 smd paste+0 mask+0.05: 1(-4.75,0) 2(4.75,0)
  silkscreen extent -5.15,-5.15 5.15,5.15, body extent -5.5,-5 5.5,5, height 3.8
WE-LQS_3015 [mm] "SMD Power Inductor, 2-Leads, body 3x3mm"
  rect 1x2.7 smd paste+0 mask+0.075: 1(-1.2,0) 2(1.2,0)
  silkscreen extent -0.4,-1.5 0.4,1.5, body extent -1.5,-1.5 1.5,1.5, height 1.55
WE-PMCI_0805 [mm] "Power Molded Chip Inductor, body 2x1.25mm"
  rect 0.7x1.45 smd paste+0 mask+0.05: 1(-0.75,0) 2(0.75,0)
  body extent -1,-0.62 1,0.63, height 1
WE-SPXO_CFPS-39 [mm] "Simple Packaged Quartz Oscillator, body 3.2x2.5mm"
  rect 1.4x1 smd paste+0 mask+0.05: 1(-1.1,-0.8) 2(1.1,-0.8) 3(1.1,0.8) 4(-1.1,0.8)
  silkscreen extent -2.42,-1.12 -2.17,-0.88, body extent -1.6,-1.25 1.6,1.25, height 1.05
WE-SPXO_IQXO-542 [mm] "Simple Packaged Quartz Oscillator, body 2x1.6mm"
  rrect50% 0.75x0.65 smd paste-0.015 mask+0.05: 1(-0.65,-0.5)
  rect 0.75x0.65 smd paste-0.015 mask+0.05: 2(0.65,-0.5) 3(0.65,0.5) 4(-0.65,0.5)
  silkscreen extent -1.67,-0.62 -1.42,-0.38, body extent -1,-0.8 1,0.8, height 0.7